# Altium PCB Copy of dv_cm.PcbDoc (part 1 of 2) (continued)
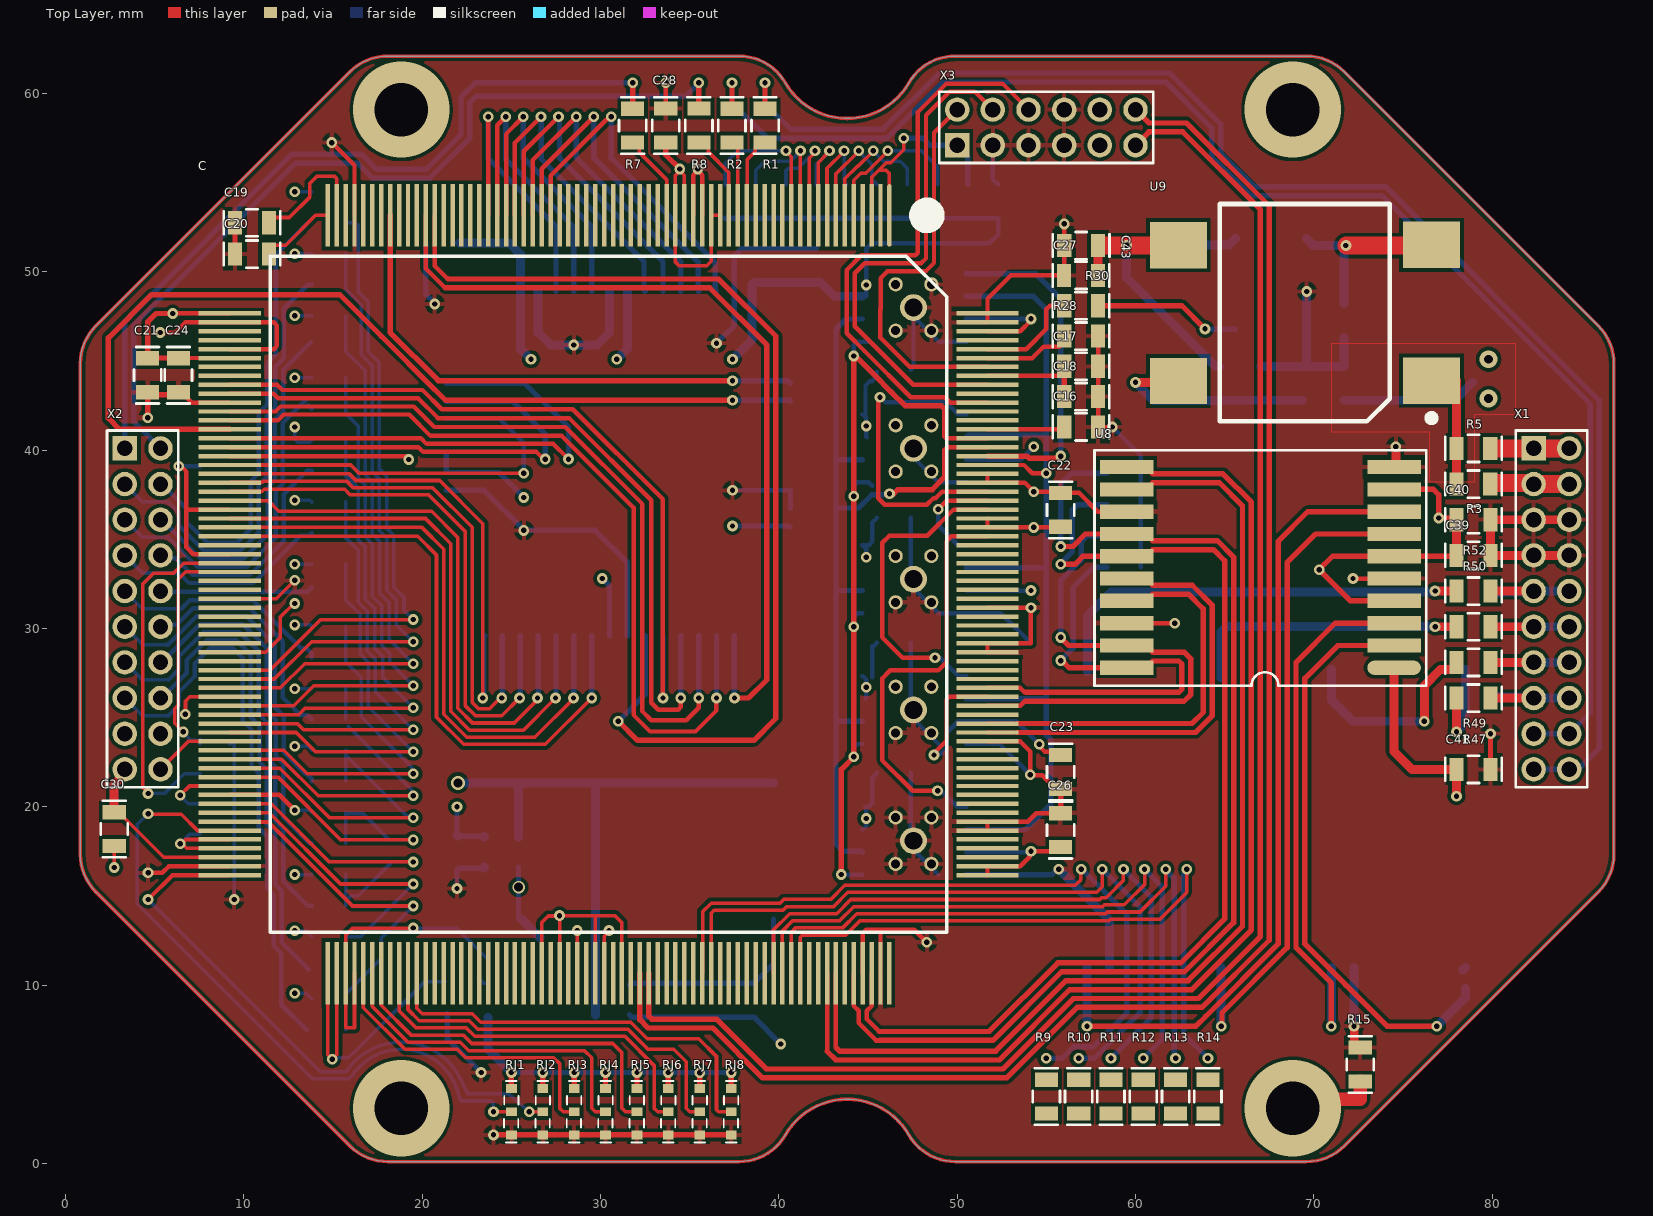
[diagram p0: Top Layer view]
## Components (designator, comment, footprint, x,y, rotation, side; value= is the part's Value field where it differs from the comment) (continued)
R49 "56" SMD_0805 79.905,28.099 r180 top (schematic designator R23)
R50 "56" SMD_0805 79.905,30.099 r180 top (schematic designator R24)
R51 "70" SMD_0805 80.3,30.1 r90 bottom (schematic designator R31)
R52 "56" SMD_0805 79.905,32.099 r180 top (schematic designator R32)
R53 "1.8к" SMD_0805 64.711,42.795 r90 bottom (schematic designator R25)
R54 "3к" SMD_0805 67.041,44.7 r270 bottom (schematic designator R26)
R55 "56к" SMD_0805 69.37,44.7 r270 bottom (schematic designator R27)
R56 "1.8к" SMD_0805 31.625,10 r180 bottom (schematic designator R28)
R57 "3к" SMD_0805 33.172,8.205 r90 bottom (schematic designator R29)
R58 "56к" SMD_0805 34.846,8.205 r90 bottom (schematic designator R30)
R59 "330" SMD_0805 31.625,8.33 r180 bottom (schematic designator R40)
R60 "100" SMD_0805 13.8,42.315 r0 bottom (schematic designator R16)
R61 "100" SMD_0805 13.8,45.796 r0 bottom (schematic designator R16)
R62 "100" SMD_0805 13.8,49.278 r0 bottom (schematic designator R16)
R63 "100" SMD_0805 13.8,52.759 r0 bottom (schematic designator R16)
RJ1 "NU" SMD_JMP_0402 25,2.9 r90 top
RJ2 "NU" SMD_JMP_0402 26.76,2.9 r90 top
RJ3 "NU" SMD_JMP_0402 28.521,2.9 r90 top
RJ4 "NU" SMD_JMP_0402 30.281,2.9 r90 top
RJ5 "NU" SMD_JMP_0402 32.041,2.9 r90 top
RJ6 "NU" SMD_JMP_0402 33.802,2.9 r90 top
RJ7 "NU" SMD_JMP_0402 35.562,2.9 r90 top
RJ8 "NU" SMD_JMP_0402 37.322,2.9 r90 top
T1 "TIL-6V" TIL-6V 71,11 r90 bottom
T2 "TIL-6V" TIL-6V 57.3,11 r90 bottom
U2 "1645RT2U VP" 5134.64-6 30.496,29.599 r90 bottom
U3 "FM25V20" TDFN-8_6x5 50.5,49.9 r180 bottom
U4 "FM25V20" TDFN-8_6x5 50.5,42 r180 bottom
U5 "FM25V20" TDFN-8_6x5 50.5,34.667 r180 bottom
U6 "FM25V20" TDFN-8_6x5 50.5,27.333 r180 bottom
U7 "FM25V20" TDFN-8_6x5 50.5,20 r180 bottom
U8 "5559IN67T_OSM" 4153.20-6 74.5,27.8 r180 top locked
U9 "1278ER1T VP" 4116.4-3_offcut 76.6,43.9 r180 top
U10 "1278ER1T VP" 4116.4-3_offcut 25.5,13.72 r0 bottom
X1 "Header 2X20" PLD2-20 82.325,40.099 r0 top
X2 "Header 2X20" PLD2-20 3.322,40.099 r0 top locked (schematic designator X3)
X3 "Header 2X12" PLD2-12 50,57.1 r90 top (schematic designator X2)
С "1986VE8T" 4244.256-3 46.2,53.168 r270 top (schematic designator U1)

## Footprints (in the part's own frame and the unit in brackets; to place one, negate y for a bottom-side part, rotate by r counter-clockwise, add the part's x,y. Pads: shape width x height; smd on the part's side, far side on the other; paste and mask are expansions set on the pad)
4116.4-3_offcut [mm]
  rect 3.2x2.6 smd: 2(0,0) 8(0,-7.62) 11(14.2,-7.6) 17(14.2,0.02)
  silkscreen extent -0.2,-9.91 11.88,2.3, body extent -0.15,-9.8 14.35,2.2, height 3.35
4153.20-6 [mm]
  oval 3x0.8 smd: 1(0,0)
  rect 3x0.8 smd: 2(0,-1.25) 3(0,-2.5) 4(0,-3.75) 5(0,-5) 6(0,-6.25) 7(0,-7.5) 8(0,-8.75) 9(0,-10) 10(0,-11.25) 11(15,-11.25) 12(15,-10) 13(15,-8.75) 14(15,-7.5) 15(15,-6.25) 16(15,-5) 17(15,-3.75) 18(15,-2.5) 19(15,-1.25) 20(15,0)
  silkscreen extent -1.8,-12.19 16.8,1.02, body extent -1.25,-12.1 16.25,0.9, height 3.04
4244.256-3 [mm]
  oval 3.5x0.25 smd: 1(0,0)
  rect 3.5x0.25 smd: 2(0,-0.5) 3(0,-1) 4(0,-1.5) 5(0,-2) 6(0,-2.5) 7(0,-3) 8(0,-3.5) 9(0,-4) 10(0,-4.5) 11(0,-5) 12(0,-5.5) 13(0,-6) 14(0,-6.5) 15(0,-7) 16(0,-7.5) 17(0,-8) 18(0,-8.5) 19(0,-9) 20(0,-9.5) 21(0,-10) 22(0,-10.5) 23(0,-11) 24(0,-11.5) 25(0,-12) 26(0,-12.5) 27(0,-13) 28(0,-13.5) 29(0,-14) 30(0,-14.5) 31(0,-15) 32(0,-15.5) 33(0,-16) 34(0,-16.5) 35(0,-17) 36(0,-17.5) 37(0,-18) 38(0,-18.5) 39(0,-19) 40(0,-19.5) 41(0,-20) 42(0,-20.5) 43(0,-21) 44(0,-21.5) 45(0,-22) 46(0,-22.5) 47(0,-23) 48(0,-23.5) 49(0,-24) 50(0,-24.5) 51(0,-25) 52(0,-25.5) 53(0,-26) 54(0,-26.5) 55(0,-27) 56(0,-27.5) 57(0,-28) 58(0,-28.5) 59(0,-29) 60(0,-29.5) 61(0,-30) 62(0,-30.5) 63(0,-31) 64(0,-31.5) 129(42.5,-31.5) 130(42.5,-31) 131(42.5,-30.5) 132(42.5,-30) 133(42.5,-29.5) 134(42.5,-29) 135(42.5,-28.5) 136(42.5,-28) 137(42.5,-27.5) 138(42.5,-27) 139(42.5,-26.5) 140(42.5,-26) 141(42.5,-25.5) 142(42.5,-25) 143(42.5,-24.5) 144(42.5,-24) 145(42.5,-23.5) 146(42.5,-23) 147(42.5,-22.5) 148(42.5,-22) 149(42.5,-21.5) 150(42.5,-21) 151(42.5,-20.5) 152(42.5,-20) 153(42.5,-19.5) 154(42.5,-19) 155(42.5,-18.5) 156(42.5,-18) 157(42.5,-17.5) 158(42.5,-17) 159(42.5,-16.5) 160(42.5,-16) 161(42.5,-15.5) 162(42.5,-15) 163(42.5,-14.5) 164(42.5,-14) 165(42.5,-13.5) 166(42.5,-13) 167(42.5,-12.5) 168(42.5,-12) 169(42.5,-11.5) 170(42.5,-11) 171(42.5,-10.5) 172(42.5,-10) 173(42.5,-9.5) 174(42.5,-9) 175(42.5,-8.5) 176(42.5,-8) 177(42.5,-7.5) 178(42.5,-7) 179(42.5,-6.5) 180(42.5,-6) 181(42.5,-5.5) 182(42.5,-5) 183(42.5,-4.5) 184(42.5,-4) 185(42.5,-3.5) 186(42.5,-3) 187(42.5,-2.5) 188(42.5,-2) 189(42.5,-1.5) 190(42.5,-1) 191(42.5,-0.5) 192(42.5,0)
  rect 0.25x3.5 smd: 65(5.5,-37) 66(6,-37) 67(6.5,-37) 68(7,-37) 69(7.5,-37) 70(8,-37) 71(8.5,-37) 72(9,-37) 73(9.5,-37) 74(10,-37) 75(10.5,-37) 76(11,-37) 77(11.5,-37) 78(12,-37) 79(12.5,-37) 80(13,-37) 81(13.5,-37) 82(14,-37) 83(14.5,-37) 84(15,-37) 85(15.5,-37) 86(16,-37) 87(16.5,-37) 88(17,-37) 89(17.5,-37) 90(18,-37) 91(18.5,-37) 92(19,-37) 93(19.5,-37) 94(20,-37) 95(20.5,-37) 96(21,-37) 97(21.5,-37) 98(22,-37) 99(22.5,-37) 100(23,-37) 101(23.5,-37) 102(24,-37) 103(24.5,-37) 104(25,-37) 105(25.5,-37) 106(26,-37) 107(26.5,-37) 108(27,-37) 109(27.5,-37) 110(28,-37) 111(28.5,-37) 112(29,-37) 113(29.5,-37) 114(30,-37) 115(30.5,-37) 116(31,-37) 117(31.5,-37) 118(32,-37) 119(32.5,-37) 120(33,-37) 121(33.5,-37) 122(34,-37) 123(34.5,-37) 124(35,-37) 125(35.5,-37) 126(36,-37) 127(36.5,-37) 128(37,-37) 193(37,5.5) 194(36.5,5.5) 195(36,5.5) 196(35.5,5.5) 197(35,5.5) 198(34.5,5.5) 199(34,5.5) 200(33.5,5.5) 201(33,5.5) 202(32.5,5.5) 203(32,5.5) 204(31.5,5.5) 205(31,5.5) 206(30.5,5.5) 207(30,5.5) 208(29.5,5.5) 209(29,5.5) 210(28.5,5.5) 211(28,5.5) 212(27.5,5.5) 213(27,5.5) 214(26.5,5.5) 215(26,5.5) 216(25.5,5.5) 217(25,5.5) 218(24.5,5.5) 219(24,5.5) 220(23.5,5.5) 221(23,5.5) 222(22.5,5.5) 223(22,5.5) 224(21.5,5.5) 225(21,5.5) 226(20.5,5.5) 227(20,5.5) 228(19.5,5.5) 229(19,5.5) 230(18.5,5.5) 231(18,5.5) 232(17.5,5.5) 233(17,5.5) 234(16.5,5.5) 235(16,5.5) 236(15.5,5.5) 237(15,5.5) 238(14.5,5.5) 239(14,5.5) 240(13.5,5.5) 241(13,5.5) 242(12.5,5.5) 243(12,5.5) 244(11.5,5.5) 245(11,5.5) 246(10.5,5.5) 247(10,5.5) 248(9.5,5.5) 249(9,5.5) 250(8.5,5.5) 251(8,5.5) 252(7.5,5.5) 253(7,5.5) 254(6.5,5.5) 255(6,5.5) 256(5.5,5.5)
  silkscreen extent -0.5,-34.71 40.21,3.21, body extent -1.3,-38.3 43.81,6.81, height 3.24
5134.64-6 [mil]
  rrect50% 120x28 smd: 1(0.04,0.16)
  rect 120x28 smd: 2(0.04,-39.21) 3(0.04,-78.58) 4(0.04,-117.95) 5(0.04,-157.32) 6(0.04,-196.69) 7(0.04,-236.06) 8(0.04,-275.43) 25(759.88,-275.43) 26(759.88,-236.06) 27(759.88,-196.69) 28(759.88,-157.32) 29(759.88,-117.95) 30(759.88,-78.58) 31(759.88,-39.21) 32(759.88,0.16) 33(759.88,39.53) 34(759.88,78.9) 35(759.88,118.27) 36(759.88,157.64) 37(759.88,197.01) 38(759.88,236.38) 39(759.88,275.75) 40(759.88,315.12) 57(0.04,315.12) 58(0.04,275.75) 59(0.04,236.38) 60(0.04,197.01) 61(0.04,157.64) 62(0.04,118.27) 63(0.04,78.9) 64(0.04,39.53)
  rect 28x120 smd: 9(84.69,-360.08) 10(124.06,-360.08) 11(163.43,-360.08) 12(202.8,-360.08) 13(242.17,-360.08) 14(281.54,-360.08) 15(320.91,-360.08) 16(360.28,-360.08) 17(399.65,-360.08) 18(439.02,-360.08) 19(478.39,-360.08) 20(517.76,-360.08) 21(557.13,-360.08) 22(596.5,-360.08) 23(635.87,-360.08) 24(675.24,-360.08) 41(675.24,399.76) 42(635.87,399.76) 43(596.5,399.76) 44(557.13,399.76) 45(517.76,399.76) 46(478.39,399.76) 47(439.02,399.76) 48(399.65,399.76) 49(360.28,399.76) 50(320.91,399.76) 51(281.54,399.76) 52(242.17,399.76) 53(202.8,399.76) 54(163.43,399.76) 55(124.06,399.76) 56(84.69,399.76)
  silkscreen extent -70,-430 830,470, body extent -49,-409 809,449, height 134
PLD2-12 [mil]
  rect 54x54 hole 34: 1(0,0)
  round 54 hole 34: 2(78.74,0) 3(0,-78.74) 4(78.74,-78.74) 5(0,-157.48) 6(78.74,-157.48) 7(0,-236.22) 8(78.74,-236.22) 9(0,-314.96) 10(78.74,-314.96) 11(0,-393.7) 12(78.74,-393.7)
  silkscreen extent -39,-433 118,39, body extent -39,-429 118,35, height 236
PLD2-20 [mil]
  rect 54x54 hole 34: 1(0,0)
  round 54 hole 34: 2(78.74,0) 3(0,-78.74) 4(78.74,-78.74) 5(0,-157.48) 6(78.74,-157.48) 7(0,-236.22) 8(78.74,-236.22) 9(0,-314.96) 10(78.74,-314.96) 11(0,-393.7) 12(78.74,-393.7) 13(0,-472.44) 14(78.74,-472.44) 15(0,-551.18) 16(78.74,-551.18) 17(0,-629.92) 18(78.74,-629.92) 19(0,-708.66) 20(78.74,-708.66)
  silkscreen extent -39,-748 118,39, body extent -39,-744 118,35, height 232
SMD_0805 [mm]
  rect 0.8x1.3 smd: 1(0,0) 2(1.9,0)
  silkscreen extent -0.64,-0.76 2.54,0.76, body extent -0.05,-0.62 1.95,0.63, height 0.43
SMD_7050_Crystal_Oscillator [mm]
  rrect50% 2x2 smd: 1(0,0)
  rect 2x2 smd: 2(5.08,0) 3(5.08,4) 4(0,4)
  silkscreen extent -1.22,-0.72 6.32,4.72, body extent -0.95,-0.5 6.05,4.52, height 1.52
SMD_JMP_0402 [mm]
  rect 0.5x0.6 smd: 1(0,0) 2(1.3,0) 3(-1.3,0)
  silkscreen extent -1.73,-0.4 1.72,0.41, body extent 0.15,-0.25 1.15,0.25, height 0.34
TDFN-8_6x5 [mm] "TDFN 8-pin 6x5mm"
  oval 1.524x0.635 smd: 1(0,0)
  rect 1.524x0.635 smd: 2(0,-1.27) 3(0,-2.54) 4(0,-3.81) 5(5.825,-3.81) 6(5.825,-2.54) 7(5.825,-1.27) 8(5.825,0)
  round 0.8 hole 0.5: TP(1.95,-3.2) TP(1.95,-0.6) TP(3.95,-3.2) TP(3.95,-0.6)
  round 1.5 hole 1: TP(2.95,-1.9)
  rect 3.048x4.064 smd: TP(2.95,-1.9)
  silkscreen extent -0.83,-4.44 5.95,1, body extent -0.08,-4.4 5.92,0.6, height 0.79
TIL-6V [mm]
  oval 2.5x0.813 smd: 1(0,-0.02)
  rect 2.5x0.813 smd: 2(0,1.25) 3(0,6.25) 4(0,7.5) 5(16.7,7.5) 6(16.7,6.25) 7(16.7,1.25) 8(16.7,-0.02)
  silkscreen extent -1.5,-2.5 18.2,10, body extent -1.2,-2.5 17.8,10, height 6.5

## Part data
C1 C2 C3 C4 C5 C6 C7 C8 C9 C10 C13 C14 C15 C16 C17 C18 C19 C20 C21 C22 C23 C24 C25 C26 C27 C28 C29 C30 C31 C32 C33 C34 C35 C36 C37 C38 C39 C40 C41 C42 C43 C44 C45 C46 C47 C48 C49: library part Capacitor, "Capacitor", Назначение=SMD-конденсатор, Наименование="К10-79 МП0 «ВП»", Потребление, Вт=0
GK1: library part Crystal_Oscillator, "Crystall oscillator, CMOS, 3.3V, SMD7050", ComponentLink1Description=DataSheet, ComponentLink1URL=http://www.lit-phonon.ru/downloads/GK108-P.pdf, Назначение="Кварцевый генератор", Наименование="ОСМ ГК108-П-18ГС-3-10М", Потребление, Вт=0,165
L1: library part Inductor, "Inductor", Назначение=SMD-индуктивность, Наименование=Индуктивность, Потребление, Вт=0,010
R1 R2 R3 R5 R7 R8 R9 R10 R11 R12 R13 R14 R15 R16 R17 R18 R19 R20 R21 R22 R23 R24 R25 R28 R29 R30 R31 R32 R33 R34 R35 R36 R37 R38 R39 R40 R41 R42 R43 R44 R45 R46 R47 R48 R49 R50 R51 R52 R53 R54 R55 R56 R57 R58 R59 R60 R61 R62 R63: library part Resistor, "Resistor", Назначение=SMD-резистор, Наименование="Р1-12-0.125 ОСМ", Потребление, Вт=0,001
RJ1 RJ2 RJ3 RJ4 RJ5 RJ6 RJ7 RJ8: library part Resistor_Jamper, "Resistor-Jumper", Назначение="Резистор для выбора режима", Наименование="Р1-12-0.125 ОСМ", Потребление, Вт=0,0
T1 T2: "Импульсный трансформатор", Назначение="Импульсный трансформатор МПИ", Наименование="ТИЛ-6В \"ОС\"", Потребление, Вт=0.0
U2: library part 1645RT2U, "Микросхема однократно программируемого постоянного / запоминающего устройства ёмкостью 256 К с организацией 32Кх8 / 1645РТ2У", ComponentLink1Description=DataSheet, ComponentLink1URL=https://forum.milandr.ru/download/file.php?id=473, Назначение=ОППЗУ, Наименование="1645РТ2У \"ВП\"", Потребление, Вт=0.330
U3 U4 U5 U6 U7: library part FM25V, "2Mb Serial 3V FRAM Memory", ComponentLink1Description=Datasheet, ComponentLink1URL=https://www.cypress.com/file/136456/download, Назначение="2Mb Serial 3V FRAM Memory", Наименование=FM25V20, Потребление, Вт=0,009
U8: library part 5559IN67T, "Приемопередатчики манчестерского кода", ComponentLink1Description=DataSheet, ComponentLink1URL=https://www.integral.by/sites/default/files/5559_IN67_68T.pdf, Назначение="Приемопередатчик манчестерского кода", Наименование="5559ИН67Т \"ОСМ\"", Потребление, Вт=0.1
U9 U10: library part 1278ER1T, "Low-drop linear regulator", ComponentLink1Description=DataSheet, ComponentLink1URL=https://www.radiant.su/files/images/Kremhij-marketing/1278EP1T.pdf, Назначение="Линейный регулятор", Наименование="1278ЕР1Т \"ВП\"", Потребление, Вт=0,100
X1 X2: "Header, 20-Pin, Dual row", Назначение="Header, 20-Pin, Dual row", Наименование=PLD2-20, Потребление, Вт=0,0
X3: "Header, 12-Pin, Dual row", Назначение="Header, 12-Pin, Dual row", Наименование=PLD2-12, Потребление, Вт=0,0
С: library part 1986BE8T, "ARM CortexM4F микроконтроллер", ComponentLink1Description=DataSheet, ComponentLink1URL=https://ic.milandr.ru/upload/iblock/62c/62ca58d6ede1a3e06d56be1e19dbdbc8.pdf, ComponentLink2Description=Errata, ComponentLink2URL=https://ic.milandr.ru/upload/iblock/379/379105061a67e6dd9373b458eff4ec3a.pdf, Назначение="АРМ микроконтроллер", Наименование=1986BE8T

## Via types
v1: diameter 0.6, hole 0.3, Top Layer to Bottom Layer, tented both sides, 185 vias
v2: diameter 5.4, hole 3, Top Layer to Bottom Layer, 4 vias
v3: diameter 0.6, hole 0.3, Top Layer to Bottom Layer, 2 vias
v4: diameter 1, hole 0.5, Top Layer to Bottom Layer, tented both sides, 2 vias
v5: diameter 0.7, hole 0.5, Top Layer to Bottom Layer, tented both sides, 1 vias
v6: diameter 0.8, hole 0.5, Top Layer to Bottom Layer, 1 vias

## Nets (pads, with @x,y where several pads share a name; then routed paths per layer and width w, separated by ;. In a path a pad name is that pad's centre, name@x,y a point inside that pad or via, vN(x,y) a via of type N, cw(c..) or ccw(c..) an arc to the next point about the centre after c; other vN are vias at no path point)
3V3: C13.2 C21.2 C22.2 C23.2 C24.2 C25.2 C26.2 C27.2 C28.2 C31.1 C32.1 C33.2 C34.2 C35.2 C36.2 C37.2 C38.2 C39.2 C40.2 C41.2 C43.2 GK1.1 GK1.4 R29.2 R31.1 R32.1 R33.1 R34.1 R35.1 R36.1 R37.1 R38.1 R39.1 R53.2 RJ1.2 RJ2.2 RJ3.2 RJ4.2 RJ5.2 RJ6.2 RJ7.2 RJ8.2 U2.1 U2.16 U2.17 U2.27 U2.33 U2.40 U2.52 U3.3 U3.7 U3.8 U4.3 U4.7 U4.8 U5.3 U5.7 U5.8 U6.3 U6.7 U6.8 U7.3 U7.7 U7.8 U8.1 U8.4 U8.6 U8.9 U9.8 U9.11 X2.17 X3.9 X3.10 С.20 С.21 С.24 С.25 С.65 С.70 С.81 С.103 С.124 С.125 С.153 С.155 С.159 С.162 С.193 С.194 С.213 С.232 С.233 С.254 | length 271.3
  Top Layer w0.2: C24.2@6.322,45 6.49,45.168 С.70@9.2,45.168 ; v1(6.425,17.925) v1@6.499,17.925 ; С.125@9.2,17.668 6.79,17.668 6.533,17.925 v1@6.499,17.925 ; С.124@9.2,18.168 6.742,18.168 v1@6.499,17.925 ; С.103@9.2,28.668 11.216,28.668 12.025,29.476 12.025,30.625 v1@12.85,31.45 ; RJ2.2@26.7,4.26 RJ2.2@26.76,4.2 ; С.153@26.7,10.668 26.7,13.515 27.061,13.876 27.676,13.876 v1(27.7,13.9) ; С.155@27.7,10.668 v1(27.7,13.9) ; v1@28.521,5.079 v1(28.521,5.1) ; С.159@29.7,10.668 29.7,13.9 ; С.162@31.2,10.668 31.2,13.5 30.8,13.9 29.7,13.9 ; v1(34.447,55.772) v1@34.447,55.664 ; С.24@34.7,53.168 34.7,55.411 v1@34.447,55.664 ; С.20@36.7,53.168 С.21@36.2,53.168 36.2,50.6 35.95,50.35 34.4,50.35 34.2,50.55 С.25@34.2,53.168 34.2,55.417 v1@34.447,55.664 ; v1@37.3,5.1 v1(37.322,5.1) ; v1(27.7,13.9) 29.7,13.9
  Top Layer w0.25: v1@6.275,47.668 С.65@9.2,47.668 ; С.81@9.2,39.668 19.057,39.668 v1(19.25,39.475) ; v1(48.7,22.901) 48.7,22.996 48.8,23.096 48.8,23.1 49.4,23.7 49.4,26.022 49.546,26.168 С.213@51.7,26.168 ; С.193@51.7,16.168 С.194@51.7,16.668 53.535,16.668 54.07,17.204 54.07,17.433 v1(54.137,17.5) C26.2@55.4,17.5 ; С.233@51.7,36.168 С.232@51.7,35.668 v1(54.3,35.668) C22.2@55.8,35.668 ; С.254@51.7,46.668 53.535,46.668 54.137,47.27 v1(54.137,47.361) ; v1(54.6,23.5) 54.6,23.405 54.9,23.105 54.9,23.1 55.664,23.1 C23.2@55.8,22.964
  Top Layer w0.3: v1(6,47.668) 5.068,47.668 4.6,47.2 4.6,45.168 C24.2@6.322,45.168 ; RJ1.2@25,4.2 v1(25,5.1) ; RJ2.2@26.7,4.26 26.721,4.26 26.76,4.3 v1(26.76,5.1) ; RJ3.2@28.521,4.2 v1@28.521,5.079 ; RJ4.2@30.281,4.2 v1(30.281,5.1) ; RJ5.2@32.041,4.2 v1(32.041,5.1) ; C28.2@33.656,57.255 33.656,56.563 v1(34.447,55.772) ; RJ6.2@33.802,4.2 v1(33.802,5.1) ; v1(35.559,5.093) 35.562,5.09 RJ7.2@35.562,4.2 ; RJ8.2@37.322,4.222 v1(37.322,5.1) ; v1@54.08,47.304 v1(54.137,47.361) ; U8.4@74.5,31.55 72.05,31.55 v1(70.3,33.3) 71.05,34.05 U8.6@74.5,34.05 C39.2@77.956,34.05 ; U8.9@74.5,37.8 76.7,37.8 77,37.5 v1(77,36.2) 77.904,36.2 C40.2@78.005,36.099
  Top Layer w0.5: C27.2@57.895,49.8 57.897,49.802 57.897,51.472 C43.2@57.9,51.474 ; U9.11@62.374,51.474 U9.11@62.4,51.5 ; v1@71.8,51.5 v1@71.82,51.52 ; U8.1@74.5,27.8 74.5,23.1 75.501,22.099 C41.2@78.005,22.099 78.005,20.605 v1(78,20.6) ; C39.2@77.956,34.05 C39.2@78.005,34.099 C40.2@78.005,36.099
  Top Layer w1: C43.2@58.2,51.474 U9.11@62.374,51.474 ; v1@71.82,51.474 U9.8@76.6,51.474
  Bottom Layer w0.2: v1(6.425,17.925) 6.972,18.472 7.525,18.472 C25.2@7.555,18.502 ; v1(34.447,55.772) v1@34.525,55.694
  Bottom Layer w0.25: U7.7@44.675,18.73 44.708,18.73 44.9,18.922 v1(44.9,19.345) 44.9,19.942 44.842,20 45.033,20 45.225,20.192 45.225,21.625 C38.2@45.5,21.9 ; U6.8@44.675,27.333 44.708,27.333 44.9,27.141 v1(44.9,26.7) 44.9,26.11 U6.7@44.854,26.063 ; U5.8@44.675,34.667 U5.8@44.708,34.667 ; U4.8@44.675,42 44.857,42 44.857,43.623 45.11,43.875 45.225,43.875 45.5,44.15 C35.2@45.5,44.4 ; U4.8@44.782,41.925 44.9,41.808 44.9,40.763 U4.7@44.933,40.73 ; v1(44.9,34) 44.9,34.474 U5.8@44.708,34.667 ; U3.7@44.9,48.642 v1(44.9,49.263) 44.9,51.3 45.2,51.6 51.8,51.6 52.3,52.1 C34.2@52.3,53.005 R29.2@50.6,53.005 48.905,53.005 R31.1@48.9,53 ; U6.8@45.225,27.256 C37.2@45.225,29.003 ; C37.2@45.303,29.003 C37.2@45.5,29.2 ; C36.2@45.5,36.2 45.225,35.925 45.225,34.859 45.033,34.667 U5.8@44.708,34.667 ; v1(48.7,22.901) 48.767,22.968 49.101,22.968 49.413,23.281 49.413,24.151 50.056,24.793 U6.3@50.5,24.793 53.307,24.793 v1(54.6,23.5) ; U7.3@50.5,17.46 v1@54.137,17.46 ; U5.3@50.5,32.127 v1(54.137,32.127) ; U4.3@50.5,39.46 53.56,39.46 v1(54.3,40.2)
  Bottom Layer w0.3: U2.17@21.35,39.75 U2.16@21.35,38.75 24.3,38.75 25.676,37.374 v1@25.676,37.351 ; v1(25,5.1) v1(26.76,5.1) v1(28.521,5.1) v1(30.281,5.1) v1(32.041,5.1) v1(33.802,5.1) v1(37.322,5.1) ; v1(30.1,32.8) 30.5,32.4 U2.1@30.5,29.6 ; R38.1@37,53 R37.1@38.7,53 R36.1@40.4,53 R35.1@42.1,53 R34.1@43.8,53 R33.1@45.5,53 R32.1@47.2,53 R31.1@48.9,53 ; v1(37.4,35.75) 40.55,35.75 U2.52@40.6,35.7 ; U3.3@50.5,47.36 53.965,47.36 53.967,47.358 54.134,47.358 v1(54.137,47.361)
  Bottom Layer w0.5: C32.1@22.093,51.619 24.881,51.619 25.5,51 U2.27@25.5,48.9 25.5,45.7 v1(26.1,45.1) ; R39.1@23.693,8.2 23.693,6.407 v1(25,5.1) ; v1(30.9,45.1) 31.5,45.7 U2.33@31.5,48.9 ; v1(37.4,45.1) 38.5,46.2 U2.40@38.5,48.9 38.5,49.294 38.606,49.4 C33.2@42.1,49.4 42.35,49.4 43.12,48.63 U3.7@44.675,48.63 ; R53.2@64.711,44.695 64.461,44.695 59.5,49.656 v1(59.5,51.5) 65.238,51.5 GK1.4@65.6,51.862 ; GK1.1@69.6,51.862 GK1.1@69.943,51.519 ; GK1.1@69.943,51.474 v1@71.781,51.474 ; C13.2@71.7,48.223 71.7,51.347 71.8,51.447 v1(71.8,51.474) ; v1@71.781,51.519 v1@71.8,51.5
  other v1: 12.85,31.4 25.7,37.35 44.895,41.354
3V3A: C29.2 C30.2 C45.2 R56.2 R59.2 U10.8 U10.11 X2.19 С.108 С.126 | length 49.9
  Top Layer w0.2: C30.2@2.725,19.7 2.975,19.7 5.507,17.168 С.126@9.2,17.168 ; v1(6.717,25.183) 6.725,25.191 6.725,25.925 6.968,26.168 С.108@9.2,26.168
  Top Layer w0.5: C30.2@2.725,19.7 2.725,21.266 3.322,21.863 X2.19@3.322,22.099
  Bottom Layer w0.5: C29.2@2.725,19.7 2.725,21.266 3.322,21.863 X2.19@3.322,22.099 ; v6(22,21.34) U10.8@25.5,21.34 ; C45.2@25.4,18.3 25.4,21.24 U10.8@25.5,21.34 ; R59.2@29.725,8.33 R56.2@29.725,10 29.725,21.34 ; U10.11@39.7,21.32 39.684,21.336 39.68,21.34 29.725,21.34 ; U10.8@25.5,21.34 29.725,21.34
+5V: C42.2 C44.2 R3.1 R5.1 U9.2 U10.2 | length 17.9
  Top Layer w0.5: R3.1@78,38.1 R5.1@78,40.1 U9.2@78,43.9
  Bottom Layer w0.3: C44.2@25.4,16.626 v5(25.4,15.5) 25.4,13.82 U10.2@25.5,13.72
  Bottom Layer w0.5: U10.2@25.5,13.72 25.55,13.72 U10.2@26.6,12.67 ; C42.2@71.7,42.8 77.9,42.8 78.9,43.8
  other v4: 79.8,42.9 79.8,45.1
A_0: U2.2 С.90 | length 35
  Top Layer w0.2: С.90@9.257,35.168 19.75,35.168 20.8,34.118 20.8,25.023 22.323,23.5 26.9,23.5 v1(29.5,26.1)
  Bottom Layer w0.3: v1(29.5,26.1) U2.2@29.5,29.6
A_1: U2.3 С.89 | length 34
  Top Layer w0.2: С.89@9.2,35.668 19.982,35.668 21.2,34.45 21.2,25.189 22.489,23.9 26.316,23.9 v1@28.48,26.064
  Bottom Layer w0.3: v1@28.48,26.064 28.49,26.074 28.49,29.59 U2.3@28.5,29.6
  other v1: 28.48,26.1
A_2: U2.4 С.88 | length 33
  Top Layer w0.2: С.88@9.2,36.168 20.182,36.168 21.6,34.75 21.6,25.354 22.654,24.3 25.675,24.3 27.398,26.023 v1@27.449,26.023
  Bottom Layer w0.3: v1@27.475,25.998 27.5,26.024 U2.4@27.5,29.6
  other v1: 27.475,26.1
A_3: U2.5 С.86 | length 32.2
  Top Layer w0.2: С.86@9.2,37.168 9.207,37.175 11.35,37.175 11.957,36.568 20.532,36.568 22,35.1 22,25.52 22.82,24.7 25.166,24.7 v1@26.467,26
  Bottom Layer w0.3: v1@26.467,26 26.5,26.034 U2.5@26.5,29.6
  other v1: 26.467,26.1
A_4: U2.6 С.85 | length 31.3
  Top Layer w0.2: С.85@9.2,37.668 9.225,37.693 11.024,37.693 11.131,37.8 15.653,37.8 15.953,37.5 20.35,37.5 22.4,35.45 22.4,25.686 22.986,25.1 24.459,25.1 v1(25.459,26.1)
  Bottom Layer w0.3: v1@25.459,26 25.5,26.041 U2.6@25.5,29.6
A_5: U2.7 С.84 | length 30.1
  Top Layer w0.2: С.84@9.2,38.168 9.225,38.193 11.024,38.193 11.099,38.268 15.751,38.268 16.119,37.9 20.575,37.9 22.8,35.675 22.8,25.851 23.151,25.5 23.774,25.5 24.374,26.1 v1(24.456,26.1)
  Bottom Layer w0.3: v1(24.456,26.1) 24.478,26.122 24.478,29.578 U2.7@24.5,29.6
A_6: U2.8 С.83 | length 28.7
  Top Layer w0.2: С.83@9.2,38.668 15.916,38.668 16.284,38.3 20.975,38.3 23.4,35.875 v1(23.4,26.1)
  Bottom Layer w0.3: v1(23.4,26.1) 23.45,26.15 23.45,29.55 U2.8@23.5,29.6
A_7: U2.19 С.82 | length 23.3
  Top Layer w0.2: С.82@9.2,39.168 15.982,39.168 16.45,38.7 v1(25.7,38.7)
  Bottom Layer w0.25: U2.19@21.35,41.75 24.35,41.75 25.7,40.4 v1(25.7,38.7)
A_8: U2.20 С.80 | length 25.7
  Top Layer w0.25: С.80@9.2,40.168 19.788,40.168 20.056,39.9 26.405,39.9 26.805,39.5 v1(26.9,39.5)
  Bottom Layer w0.3: U2.20@21.35,42.75 25.05,42.75 26.9,40.9 v1(26.9,39.5)
A_9: U2.21 С.79 | length 29.1
  Top Layer w0.25: С.79@9.2,40.668 19.925,40.668 20.243,40.35 27.35,40.35 v1(28.2,39.5)
  Bottom Layer w0.3: U2.21@21.35,43.75 25.75,43.75 28.2,41.3 v1(28.2,39.5)
A_10: U2.45 С.78 | length 53.3
  Top Layer w0.3: С.78@9.2,41.168 3.032,41.168 2.4,41.8 2.4,46.3 4.825,48.725 15.375,48.725 17.7,46.4 17.7,46.393 20.693,43.4 20.7,43.4 21.3,42.8 v1(37.4,42.8)
  Bottom Layer w0.3: v1(37.4,42.8) 40.6,42.8 U2.45@40.65,42.75
A_11: U2.59 С.77 | length 46.3
  Top Layer w0.25: С.77@9.2,41.668 11.909,41.668 12.241,42 19.264,42 20.464,40.8 27.819,40.8 31.85,36.769 31.85,25.15 32.776,24.224 35.324,24.224 36.5,25.4 v1(36.5,26.1)
  Bottom Layer w0.3: v1(36.5,26.1) U2.59@36.5,29.6
A_12: U2.60 С.76 | length 44.9
  Top Layer w0.25: С.76@9.2,42.168 11.773,42.168 12.055,42.45 12.945,42.45 19.522,42.45 20.225,41.747 20.672,41.3 28.026,41.3 32.35,36.976 32.35,25.35 32.85,24.85 34.8,24.85 35.5,25.55 v1(35.5,26.1)
  Bottom Layer w0.3: v1(35.5,26.1) U2.60@35.5,29.6
A_13: U2.61 С.74 | length 43.3
  Top Layer w0.25: С.74@9.2,43.168 11.657,43.168 11.925,42.9 19.779,42.9 20.879,41.8 28.233,41.8 32.85,37.183 32.85,25.831 33.231,25.45 34.354,25.45 34.5,25.596 v1(34.5,26.1)
  Bottom Layer w0.3: v1@34.5,26.2 U2.61@34.5,29.6
A_14: U2.62 С.73 | length 41.6
  Top Layer w0.25: С.73@9.2,43.668 11.857,43.668 12.15,43.375 20.011,43.375 21.086,42.3 28.441,42.3 33.5,37.241 v1(33.5,26.1)
  Bottom Layer w0.3: v1(33.5,26.1) U2.62@33.5,29.6
A_15: С.72
A_N: T1.1 U8.3 | length 29.4
  Top Layer w0.3: v1(70.98,7.7) 70.98,10.12 69,12.1 69,28.1 71.2,30.3 73,30.3
  Bottom Layer w0.5: v1(70.98,7.7) T1.1@70.98,10.98
A_P: T1.4 U8.2 | length 31.5
  Top Layer w0.3: 73,29.05 71.35,29.05 69.5,27.2 69.5,12.307 71.8,10.007 71.8,10 74.1,7.7 v1(76.9,7.7)
  Bottom Layer w0.5: v1(76.9,7.7) 78.515,9.315 T1.4@78.515,9.801 ; T1.4@78.344,10.844 T1.4@78.5,11
ADC_0: R16.1 X2.15 | length 32
  Bottom Layer w0.2: X2.15@3.322,26.099 4.313,25.108 5.758,25.108
  Bottom Layer w0.25: 5.758,25.108 5.994,25.344 ccw(c5.322,26.099) 6.077,25.427 6.333,25.683 6.333,26.408 7.233,27.308 7.233,28.026 8.103,28.896 9.377,28.896 9.925,28.348 9.925,24.832 10.425,24.332 10.425,22.304 10.825,21.904 10.825,18.825 11.3,18.35 11.3,15.452 11.675,15.077 11.675,12.203 12.1,11.778 12.1,8.907 R16.1@13.524,7.483
ADC_1: R17.1 X2.16 | length 26.2
  Bottom Layer w0.25: X2.16@5.322,26.099 5.388,26.099 6.783,27.494 6.783,28.212 7.916,29.346 9.563,29.346 10.375,28.534 10.375,25.018 10.875,24.518 10.875,22.491 11.275,22.091 11.275,19.025 11.75,18.55 11.75,15.639 12.125,15.264 12.125,12.389 R17.1@13.641,10.873
ADC_2: R18.1 X2.13 | length 25.5
  Bottom Layer w0.2: X2.13@3.322,28.099 4.308,27.113 5.766,27.113
  Bottom Layer w0.25: 5.766,27.113 6.333,27.681 6.333,28.399 7.73,29.796 9.75,29.796 10.825,28.72 10.825,25.205 11.325,24.705 11.325,22.677 11.75,22.252 11.75,19.2 12.2,18.75 12.2,15.825 13.562,14.463 R18.1@13.8,14.463
ADC_3: R19.1 X2.14 | length 19.5
  Bottom Layer w0.25: X2.14@5.322,28.099 5.388,28.099 6.432,29.143 7.362,30.073 7.37,30.073 7.543,30.246 9.936,30.246 11.275,28.907 11.275,25.391 11.775,24.891 11.775,22.864 12.2,22.439 12.2,19.425 13.681,17.944 R19.1@13.8,17.944
ADC_4: R20.1 X2.11 | length 18.7
  Bottom Layer w0.2: X2.11@3.322,30.099 4.288,29.134 4.321,29.1 5.65,29.1
  Bottom Layer w0.25: 5.65,29.088 5.741,29.088 7.348,30.696 10.122,30.696 11.725,29.093 11.725,25.578 12.225,25.078 12.225,23.05 13.436,21.839 13.525,21.839 13.8,21.564 R20.1@13.8,21.426
ADC_5: R21.1 X2.12 | length 13.3
  Bottom Layer w0.25: X2.12@5.322,30.099 5.426,30.203 6.219,30.203 7.162,31.146 10.309,31.146 12.175,29.28 12.175,26.125 13.171,25.129 13.579,25.129 R21.1@13.8,24.907
ADC_6: R22.1 X2.9 | length 12.6
  Bottom Layer w0.2: X2.9@3.322,32.099 3.322,32.07 4.292,31.1 6.48,31.1 6.491,31.112
  Bottom Layer w0.25: 6.491,31.112 6.975,31.596 10.495,31.596 13.211,28.88 13.525,28.88 13.8,28.605 R22.1@13.8,28.389
ADC_7: R23.1 X2.10 | length 8.6
  Bottom Layer w0.25: X2.10@5.322,32.099 5.366,32.055 13.555,32.055 R23.1@13.8,32.3
ADC_8: R24.1 X2.7 | length 12.3
  Bottom Layer w0.2: X2.7@3.322,34.099 4.308,33.113 6.362,33.113
  Bottom Layer w0.25: 6.362,33.113 6.925,32.55 10.525,32.55 13.171,35.196 13.645,35.196 R24.1@13.8,35.352
ADC_9: R25.1 X2.8 | length 12.9
  Bottom Layer w0.25: X2.8@5.322,34.099 5.477,33.944 6.167,33.944 7.111,33 10.339,33 12.225,34.886 12.225,37.525 13.533,38.833 R25.1@13.8,38.833
ADC_10: R60.1 X2.5 | length 19
  Bottom Layer w0.2: X2.5@3.322,36.099 4.308,35.113 5.65,35.113
  Bottom Layer w0.25: 5.65,35.113 5.653,35.11 5.741,35.11 7.401,33.45 10.15,33.45 11.775,35.075 11.775,37.711 12.169,38.106 12.169,41.52 R60.1@13.487,42.838 ; R60.1@13.592,42.523 R60.1@13.8,42.315
ADC_11: R61.1 X2.6 | length 19.3
  Bottom Layer w0.25: X2.6@5.322,36.099 5.388,36.099 7.587,33.9 9.964,33.9 11.325,35.261 11.325,37.906 11.719,38.3 11.719,41.707 12.2,42.188 12.2,44.5 R61.1@13.762,46.062
ADC_12: R62.1 X2.3 | length 25.2
  Bottom Layer w0.2: X2.3@3.322,38.099 4.308,37.113 5.738,37.113
  Bottom Layer w0.25: 5.738,37.113 5.926,36.926 ; 5.926,36.925 6.333,36.518 6.333,35.791 7.774,34.35 9.777,34.35 10.826,35.399 10.826,38.057 11.269,38.5 11.269,41.893 11.75,42.374 11.75,44.686 12.225,45.161 12.225,47.925 13.578,49.278 R62.1@13.8,49.278
ADC_13: R63.1 X2.4 | length 25.6
  Bottom Layer w0.25: X2.4@5.322,38.099 5.389,38.099 6.382,37.107 ; 6.382,37.106 6.783,36.704 6.783,35.977 7.255,35.505 7.96,34.8 9.591,34.8 10.376,35.585 10.376,38.243 10.819,38.686 10.819,42.08 11.3,42.56 11.3,44.873 11.775,45.348 11.775,50.942 R63.1@13.507,52.674
ADC_IN_0: C1.2 R16.2 С.122 | length 20.8
  Top Layer w0.2: С.122@9.2,19.168 9.221,19.147 11.378,19.147 16.089,14.436 v1(19.5,14.436)
  Bottom Layer w0.2: R16.2@15.7,7.5 C1.2@15.7,9.241 15.7,9.491 17.712,11.502 17.712,12.647 v1(19.5,14.436)
ADC_IN_1: C2.2 R17.2 С.121 | length 18.7
  Top Layer w0.2: С.121@9.2,19.668 11.423,19.668 15.419,15.671 v1(19.5,15.671)
  Bottom Layer w0.2: R17.2@15.7,10.981 C2.2@15.7,12.722 16.551,12.722 v1(19.5,15.671)
ADC_IN_2: C3.2 R18.2 С.120 | length 18.1
  Top Layer w0.2: С.120@9.2,20.168 11.532,20.168 14.793,16.907 v1(19.5,16.907)
  Bottom Layer w0.2: R18.2@15.7,14.463 R18.2@15.7,14.713 ; C3.2@15.7,16.204 R18.2@15.7,14.713 ; 16.116,15.013 16,15.013 R18.2@15.7,14.713 ; 16.117,15.014 16.414,15.014 18.307,16.907 v1(19.5,16.907)
ADC_IN_3: C4.2 R19.2 С.117 | length 17.9
  Top Layer w0.2: С.117@9.2,21.668 11.907,21.668 15.432,18.143 v1(19.5,18.143)
  Bottom Layer w0.2: R19.2@15.7,17.944 C4.2@15.7,19.685 15.759,19.626 16.674,19.626 18.157,18.143 v1(19.5,18.143)
ADC_IN_4: C5.2 R20.2 С.116 | length 18.5
  Top Layer w0.2: С.116@9.2,22.168 12.007,22.168 14.796,19.379 v1(19.5,19.379)
  Bottom Layer w0.2: R20.2@15.7,21.426 C5.2@15.7,22.917 ; C5.2@15.7,23.167 C5.2@15.7,22.917 ; v1(19.5,19.379) 19.423,19.455 19.162,19.455 C5.2@15.7,22.917
ADC_IN_5: C6.2 R21.2 С.115 | length 18.3
  Top Layer w0.2: С.115@9.2,22.668 12.107,22.668 14.161,20.614 v1(19.5,20.614)
  Bottom Layer w0.2: R21.2@15.7,24.907 C6.2@15.7,26.648 ; R21.2@15.85,24.507 19.423,20.934 19.423,20.691 v1(19.5,20.614)
ADC_IN_6: C7.2 R22.2 С.114 | length 20.7
  Top Layer w0.2: С.114@9.2,23.168 12.232,23.168 13.55,21.85 v1(19.5,21.85)
  Bottom Layer w0.2: C7.2@15.7,30.13 R22.2@15.7,28.389 15.7,28.139 16.575,27.264 16.575,25.05 19.423,22.202 19.423,21.927 v1(19.5,21.85)
ADC_IN_7: C8.2 R23.2 С.112 | length 22.8
  Top Layer w0.2: С.112@9.2,24.168 12.932,24.168 14.014,23.086 v1(19.5,23.086)
  Bottom Layer w0.2: C8.2@15.7,33.611 R23.2@15.7,31.87 15.7,31.62 16.525,30.795 16.525,28.566 16.975,28.116 16.975,25.611 v1(19.5,23.086)
ADC_IN_8: C9.2 R24.2 С.111 | length 24.8
  Top Layer w0.2: С.111@9.2,24.668 12.998,24.668 13.344,24.321 v1(19.5,24.321)
  Bottom Layer w0.2: C9.2@15.7,37.093 R24.2@15.7,35.352 15.7,35.102 16.406,34.396 16.406,31.481 16.925,30.961 16.925,28.731 17.375,28.281 17.375,26.446 v1(19.5,24.321)